# Allegro board REF_038HX-888005K4R-A100.brd (continued)
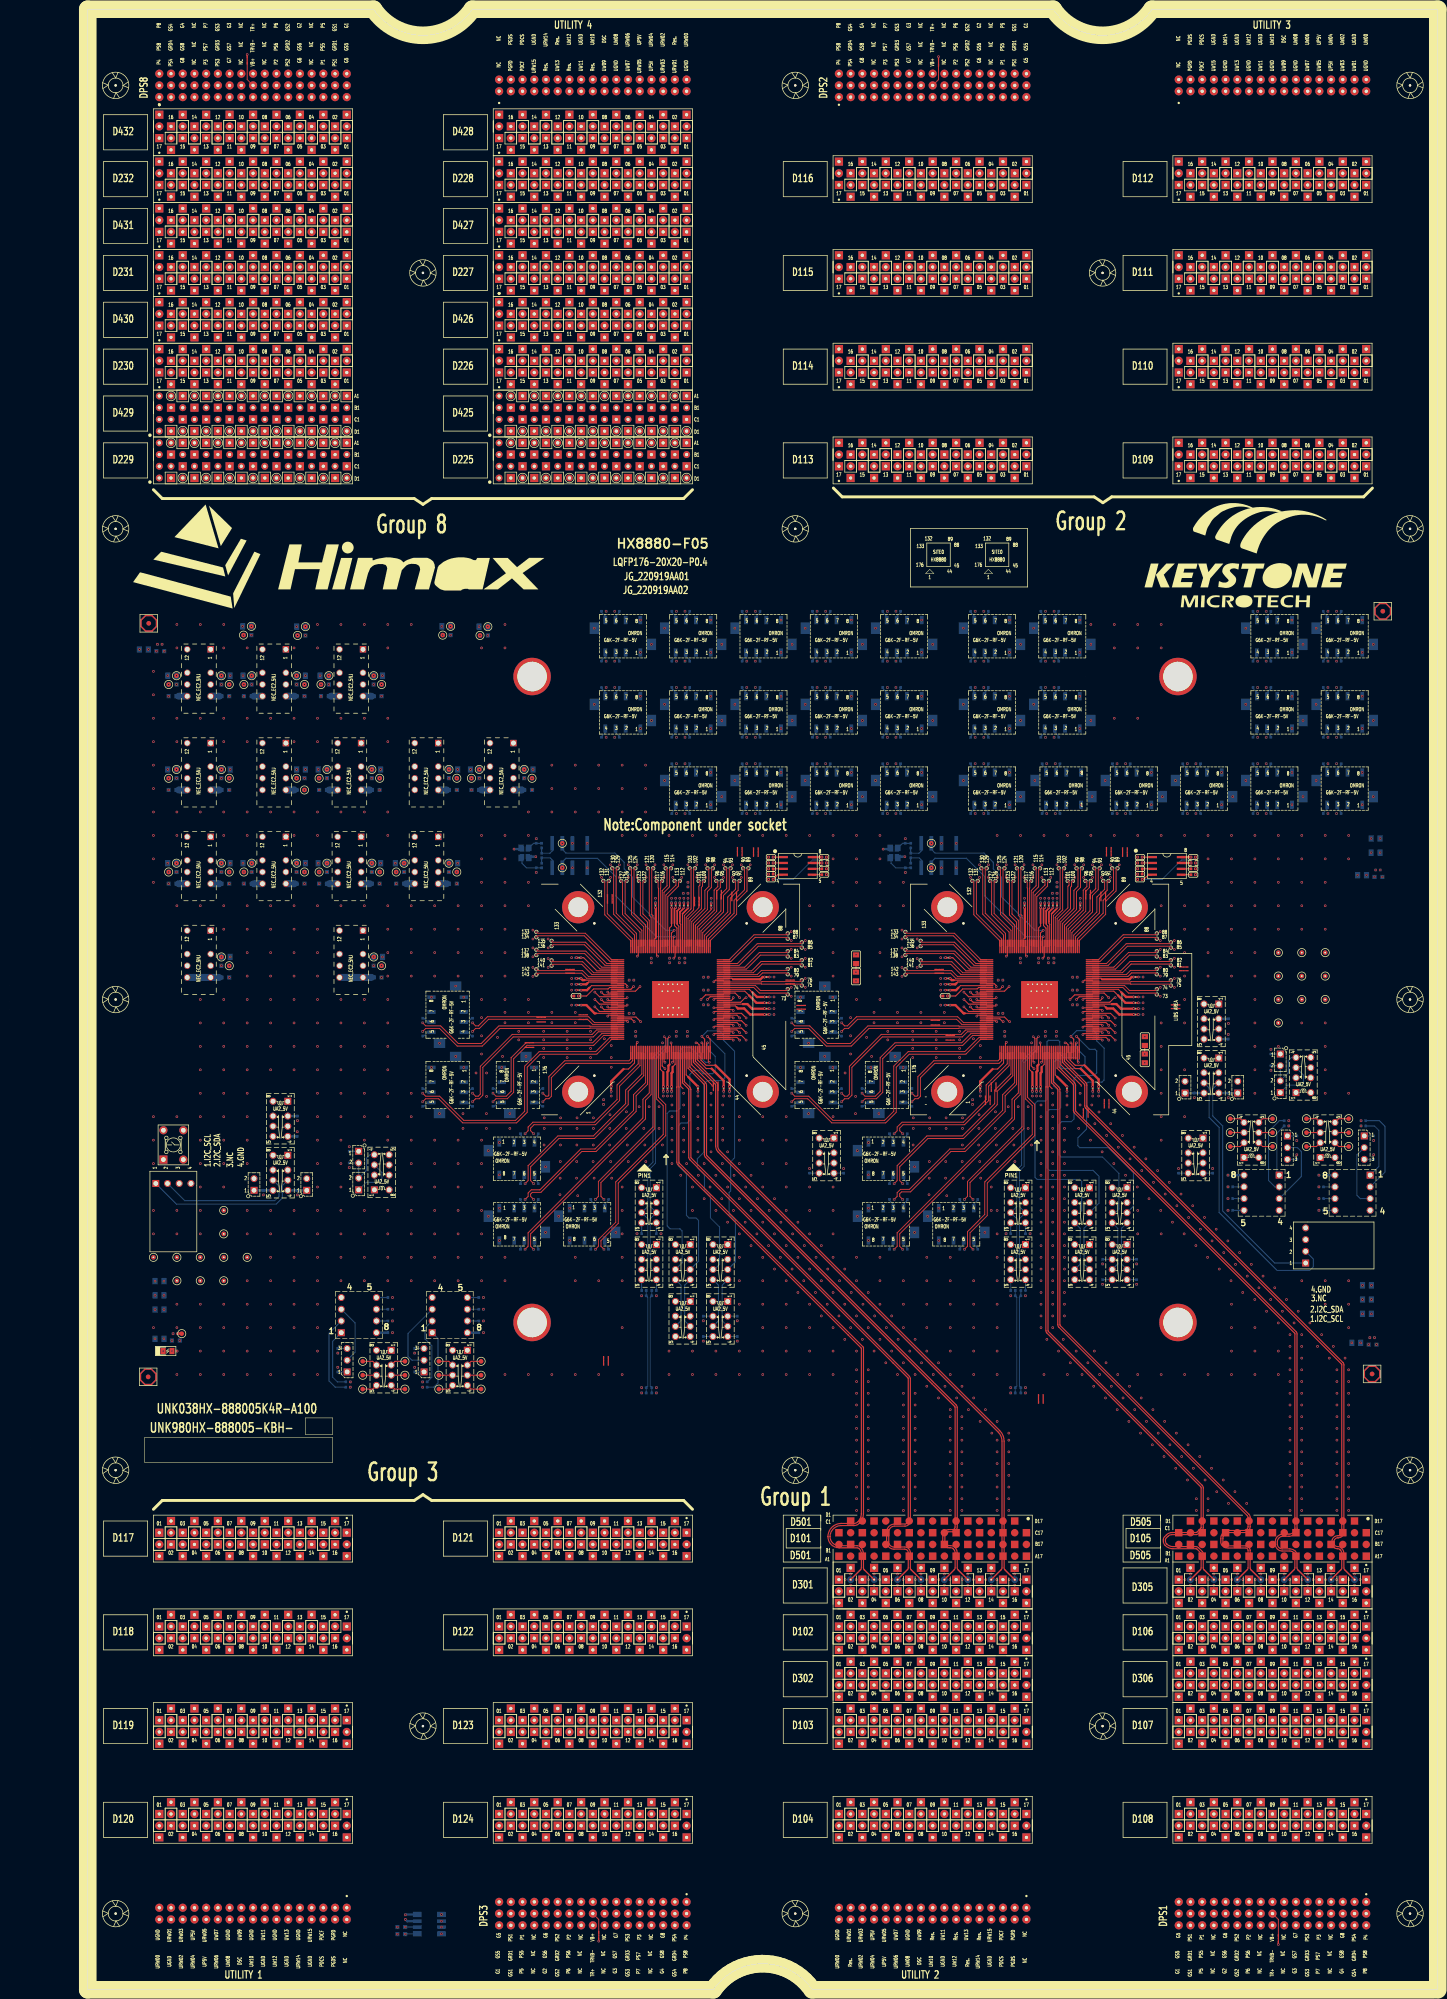
[diagram p0: board, top side]
## Copper pours and planes (outline as drawn; the poured copper is in the pictures) (continued)
AGND on TOP: 117.64,201.55 138.41,201.55 139.91,200.04 150.82,200.04 151.61,200.83 151.61,211.45 152.98,212.81 188.04,212.81 190.66,210.19 192.11,210.19 192.27,210.03 192.84,210.03 193.29,209.58 193.29,206.43 193.31,206.41 193.31,205.58 193.5,205.38 196.12,205.38 197.04,204.46 197.04,201.85 197.24,201.65 218.14,201.65 221.25,198.54 221.25,193.49 253.7,161.04 253.7,158.15 275.54,136.3 275.54,130.68 278.49,127.74 278.49,83.82 277.39,82.72 159.52,82.72 153.24,89 153.24,103.5 128.21,128.53 64.76,128.53 61.32,131.98 61.32,164.13 70.12,172.92 70.12,216.37 72.88,219.13 83.81,219.13 90.16,212.79 110.88,212.79 113.24,210.42 113.24,205.95 113.71,205.48 116.16,205.48 117.22,204.41 117.22,201.97
AGND on BOTTOM: 92.7,251.71 120.82,251.71 122.21,250.31 122.21,240.1 125.3,237.01 125.3,234.19 128.12,231.36 128.12,226.61 127.58,226.06 121.01,226.06 107.82,239.25 94.67,239.25 91.34,242.58 91.34,250.35
AGND on BOTTOM: 172.7,251.71 200.82,251.71 202.21,250.31 202.21,240.1 205.3,237.01 205.3,234.19 208.12,231.36 208.12,226.61 207.58,226.06 201.01,226.06 187.82,239.25 174.67,239.25 171.34,242.58 171.34,250.35
AGND on L02_GND: 1.02,1.02 1.02,428.24 61.42,428.24 72.66,422.59 83.9,428.24 208.74,428.24 219.98,422.59 231.22,428.24 291.62,428.24 291.62,1.02 157.55,1.02 156.96,1.78 156.12,2.68 155.21,3.5 154.23,4.23 153.19,4.87 152.1,5.43 150.96,5.88 149.79,6.24 148.6,6.49 147.38,6.64 146.16,6.68 144.94,6.61 143.73,6.44 142.54,6.16 141.38,5.78 140.25,5.3 139.17,4.72 138.15,4.05 137.19,3.3 136.3,2.46 135.48,1.55 135.08,1.02
AGND on L03_SIGNAL: 156.96,1.78 156.12,2.68 155.21,3.5 154.23,4.23 153.19,4.87 152.1,5.43 150.96,5.88 149.79,6.24 148.6,6.49 147.38,6.64 146.16,6.68 144.94,6.61 143.73,6.44 142.54,6.16 141.38,5.78 140.25,5.3 139.17,4.72 138.15,4.05 137.19,3.3 136.3,2.46 135.48,1.55 135.08,1.02 1.02,1.02 1.02,428.24 61.42,428.24 72.66,422.59 83.9,428.24 208.74,428.24 219.98,422.59 231.22,428.24 291.62,428.24 291.62,1.02 157.55,1.02 ; 86 cut-outs
AGND on L04_GND, L05_SIGNAL, L06_GND, L08_GND, L10_GND, L15_GND, L17_GND, L19_GND, L21_GND, L22_SIGNAL, L23_GND: 156.96,1.78 156.12,2.68 155.21,3.5 154.23,4.23 153.19,4.87 152.1,5.43 150.96,5.88 149.79,6.24 148.6,6.49 147.38,6.64 146.16,6.68 144.94,6.61 143.73,6.44 142.54,6.16 141.38,5.78 140.25,5.3 139.17,4.72 138.15,4.05 137.19,3.3 136.3,2.46 135.48,1.55 135.08,1.02 1.02,1.02 1.02,428.24 61.42,428.24 72.66,422.59 83.9,428.24 208.74,428.24 219.98,422.59 231.22,428.24 291.62,428.24 291.62,1.02 157.55,1.02
AGND on L07_SIGNAL: 156.96,1.78 156.12,2.68 155.21,3.5 154.23,4.23 153.19,4.87 152.1,5.43 150.96,5.88 149.79,6.24 148.6,6.49 147.38,6.64 146.16,6.68 144.94,6.61 143.73,6.44 142.54,6.16 141.38,5.78 140.25,5.3 139.17,4.72 138.15,4.05 137.19,3.3 136.3,2.46 135.48,1.55 135.08,1.02 1.02,1.02 1.02,428.24 61.42,428.24 72.66,422.59 83.9,428.24 208.74,428.24 219.98,422.59 231.22,428.24 291.62,428.24 291.62,1.02 157.55,1.02 ; 97 cut-outs
AGND on L09_POWER: 156.96,1.78 156.12,2.68 155.21,3.5 154.23,4.23 153.19,4.87 152.1,5.43 150.96,5.88 149.79,6.24 148.6,6.49 147.38,6.64 146.16,6.68 144.94,6.61 143.73,6.44 142.54,6.16 141.38,5.78 140.25,5.3 139.17,4.72 138.15,4.05 137.19,3.3 136.3,2.46 135.48,1.55 135.08,1.02 1.02,1.02 1.02,428.24 61.42,428.24 72.66,422.59 83.9,428.24 208.74,428.24 219.98,422.59 231.22,428.24 291.62,428.24 291.62,1.02 157.55,1.02 ; 1 cut-out
AGND on L11_POWER: 156.96,1.78 156.12,2.68 155.21,3.5 154.23,4.23 153.19,4.87 152.1,5.43 150.96,5.88 149.79,6.24 148.6,6.49 147.38,6.64 146.16,6.68 144.94,6.61 143.73,6.44 142.54,6.16 141.38,5.78 140.25,5.3 139.17,4.72 138.15,4.05 137.19,3.3 136.3,2.46 135.48,1.55 135.08,1.02 1.02,1.02 1.02,428.24 61.42,428.24 72.66,422.59 83.9,428.24 208.74,428.24 219.98,422.59 231.22,428.24 291.62,428.24 291.62,1.02 157.55,1.02 ; 1 cut-out
AGND on L13_CBIT: 156.96,1.78 156.12,2.68 155.21,3.5 154.23,4.23 153.19,4.87 152.1,5.43 150.96,5.88 149.79,6.24 148.6,6.49 147.38,6.64 146.16,6.68 144.94,6.61 143.73,6.44 142.54,6.16 141.38,5.78 140.25,5.3 139.17,4.72 138.15,4.05 137.19,3.3 136.3,2.46 135.48,1.55 135.08,1.02 1.02,1.02 1.02,428.24 61.42,428.24 72.66,422.59 83.9,428.24 208.74,428.24 219.98,422.59 231.22,428.24 291.62,428.24 291.62,1.02 157.55,1.02 ; 10 cut-outs
AGND on L14_POWER: 156.96,1.78 156.12,2.68 155.21,3.5 154.23,4.23 153.19,4.87 152.1,5.43 150.96,5.88 149.79,6.24 148.6,6.49 147.38,6.64 146.16,6.68 144.94,6.61 143.73,6.44 142.54,6.16 141.38,5.78 140.25,5.3 139.17,4.72 138.15,4.05 137.19,3.3 136.3,2.46 135.48,1.55 135.08,1.02 1.02,1.02 1.02,428.24 61.42,428.24 72.66,422.59 83.9,428.24 208.74,428.24 219.98,422.59 231.22,428.24 291.62,428.24 291.62,1.02 157.55,1.02 ; 1 cut-out
AGND on L16_POWER: 208.24,427.23 219.98,421.57 231.72,427.23 290.61,427.23 290.61,2.03 158.05,2.03 157.73,2.44 156.83,3.41 155.85,4.28 154.8,5.07 153.69,5.76 152.52,6.35 151.3,6.84 150.05,7.22 148.76,7.49 147.46,7.65 146.15,7.69 144.84,7.62 143.54,7.44 142.27,7.14 141.02,6.73 139.81,6.22 138.66,5.6 137.56,4.88 136.53,4.07 135.57,3.17 134.69,2.2 134.57,2.03 2.03,2.03 2.03,427.23 60.92,427.23 72.66,421.57 84.4,427.23 ; 1 cut-out
AGND on L18_POWER: 156.96,1.78 156.12,2.68 155.21,3.5 154.23,4.23 153.19,4.87 152.1,5.43 150.96,5.88 149.79,6.24 148.6,6.49 147.38,6.64 146.16,6.68 144.94,6.61 143.73,6.44 142.54,6.16 141.38,5.78 140.25,5.3 139.17,4.72 138.15,4.05 137.19,3.3 136.3,2.46 135.48,1.55 135.08,1.02 1.02,1.02 1.02,428.24 61.42,428.24 72.66,422.59 83.9,428.24 208.74,428.24 219.98,422.59 231.22,428.24 291.62,428.24 291.62,1.02 157.55,1.02 ; 1 cut-out
AGND on L20_SIGNAL: 156.96,1.78 156.12,2.68 155.21,3.5 154.23,4.23 153.19,4.87 152.1,5.43 150.96,5.88 149.79,6.24 148.6,6.49 147.38,6.64 146.16,6.68 144.94,6.61 143.73,6.44 142.54,6.16 141.38,5.78 140.25,5.3 139.17,4.72 138.15,4.05 137.19,3.3 136.3,2.46 135.48,1.55 135.08,1.02 1.02,1.02 1.02,428.24 61.42,428.24 72.66,422.59 83.9,428.24 208.74,428.24 219.98,422.59 231.22,428.24 291.62,428.24 291.62,1.02 157.55,1.02 ; 1 cut-out
CSDPS225P1 on L18_POWER: 110.47,192.72 110.47,184.65 113.07,182.05 131.9,182.05 138.58,188.73 138.58,227.98 140.98,230.38 140.98,250.52 137.67,253.83 104.62,253.83 101.97,256.48 101.97,265.18 139.73,302.94 139.73,331.81 137.11,334.43 128.97,334.43 128.15,333.61 128.15,329.2 128.8,328.55 130.75,328.55 131.79,327.51 131.79,308.25 90.51,266.97 90.51,249.91 98.49,241.93 123.05,241.93 123.78,241.21 123.78,234.24 130.29,227.73 130.29,193.85 126.41,189.98 121.41,189.98 120.28,191.1 120.28,206.27 119.37,207.18 113.34,207.18 112.58,206.42 112.58,194.83
CSDPS225P3 on L11_POWER: 129.04,223.04 128.71,223.37 128.71,229.99 125.73,232.97 125.73,252.8 121.38,257.15 74.32,257.15 72.65,258.82 72.65,292.39 87.01,306.76 103.62,306.76 115.29,318.43 115.29,333.25 116.44,334.39 125.43,334.39 125.99,333.83 125.99,329.45 125.52,328.98 122.09,328.98 121.41,328.3 121.41,313.43 107.19,299.21 92,299.21 79.22,286.43 79.22,270.32 81.94,267.6 125.68,267.6 133.27,260.01 133.27,224.19 132.12,223.04
CSDPS225P5 on L14_POWER: 131.99,223.39 131.99,228.26 138.53,234.81 138.53,237.29 138.89,237.65 138.89,249.27 136.09,252.07 84.11,252.07 82.18,254.01 82.18,289.81 95.97,303.6 111.34,303.6 128.83,321.09 128.83,333.46 127.88,334.41 119.12,334.41 118.02,333.31 118.02,329.36 118.65,328.73 120.11,328.73 120.56,328.28 120.56,325.03 108.5,312.97 91.42,312.97 74.85,296.4 74.85,238.04 76.28,236.61 84.36,236.61 94.72,246.96 129.8,246.96 132.84,243.93 132.84,239.71 131.35,238.22 128.55,238.22 127.87,237.54 127.87,223.27 128.09,223.05 131.64,223.05
CSDPS225P7 on L16_POWER: 123.05,206.83 123.05,194.83 116.31,188.09 88.7,188.09 67,209.79 67,290.16 94.03,317.19 103.69,317.19 111.14,324.64 111.14,327.95 111.71,328.53 115.2,328.53 116.27,329.61 116.27,333.51 115.35,334.43 103.58,334.43 102.75,333.59 102.75,327.23 99.62,324.11 89.48,324.11 58.2,292.83 58.2,207.48 82.01,183.67 120.31,183.67 128.34,191.7 128.34,206.65 127.74,207.25 123.47,207.25
CSDPS225P9 on L09_POWER: 121.38,222.53 121.88,223.04 122.63,223.04 122.95,223.35 122.95,224.1 123.82,224.97 123.82,239.12 120.61,242.32 81.37,242.32 71.97,251.72 64.85,251.72 57.16,259.4 57.16,284.55 86.35,313.75 114.1,313.75 118.76,318.41 118.76,332.99 117.74,334.01 108.59,334.01 107.86,333.27 107.86,329.36 108.59,328.63 109.92,328.63 110.42,328.13 110.42,324.53 105.64,319.75 81.17,319.75 50.57,289.15 50.57,255.24 60.06,245.76 83.29,222.53
CSDPS225P11 on L14_POWER: 62.72,318 79.13,334.4 105.06,334.4 106.03,333.43 106.03,329.54 105.26,328.77 101.76,328.77 101.02,328.03 101.02,325.51 97.66,322.16 83.34,322.16 72.41,311.23 72.41,236.39 75.19,233.61 82.73,233.61 95.21,246.09 127.02,246.09 130.65,242.45 130.65,239.44 130.34,239.13 127.94,239.13 126.96,238.15 126.96,233.88 126.5,233.42 126.5,223.38 126.13,223.01 122.9,223.01 122.47,223.44 122.47,238.19 121.51,239.15 110.15,239.15 109.14,240.17 102.42,240.17 88.44,226.19 66.02,226.19 62.72,229.48
CSDPS225P13 on L09_POWER: 124.63,223.14 124.63,236.46 125.53,237.37 130.81,237.37 132.02,236.15 132.02,216.8 132.8,216.02 149.6,216.02 151.99,213.63 151.99,200.99 150.35,199.35 140.2,199.35 139.83,198.98 139.83,192.34 138.22,190.73 111.66,190.73 110.59,191.79 110.59,196.73 106.48,200.85 65.79,200.85 50.72,215.92 50.72,227.1 39.78,238.04 39.78,244.62 35.88,248.52 35.88,291.77 83.47,339.36 99.81,339.36 100.71,338.46 100.71,329.59 100.07,328.95 84.65,328.95 46.96,291.27 46.96,253.63 53.58,247.01 53.58,239.31 76.06,216.84 100.09,216.84 103,219.74 121.23,219.74
CSDPS229P1 on L18_POWER: 190.47,192.72 190.47,184.65 193.07,182.05 211.9,182.05 218.58,188.73 218.58,227.98 220.98,230.38 220.98,250.52 217.67,253.83 176.82,253.83 157.35,234.36 157.35,193.13 142.49,178.27 83.18,178.27 48.81,212.65 48.81,299.34 65.62,316.15 65.62,331.58 62.88,334.33 55.17,334.33 54.56,333.72 54.56,329.37 55.17,328.76 57.08,328.76 57.83,328.01 57.83,321.67 41.58,305.42 41.58,206.23 78.31,169.5 145.5,169.5 164.81,188.81 164.81,225.76 180.99,241.93 203.05,241.93 203.78,241.21 203.78,234.24 210.29,227.73 210.29,193.85 206.41,189.98 201.41,189.98 200.28,191.1 200.28,206.27 199.37,207.18 193.34,207.18 192.58,206.42 192.58,194.83
CSDPS229P3 on L11_POWER: 209.04,223.04 208.71,223.37 208.71,229.99 205.73,232.97 205.73,240.75 204.73,241.76 174.81,241.76 163.88,230.83 163.88,189.03 153.04,178.19 72.98,178.19 39.01,212.16 39.01,311.41 41.78,314.18 41.78,333.48 42.7,334.4 52.17,334.4 52.78,333.79 52.78,329.69 51.78,328.7 48.21,328.7 47.67,328.16 47.67,309.46 46.2,307.99 46.2,214.87 74.98,186.09 150.92,186.09 157.43,192.6 157.43,234.59 170.69,247.85 211.27,247.85 213.27,245.86 213.27,224.19 212.12,223.04
CSDPS229P5 on L14_POWER: 60.94,164.67 53.21,172.4 53.21,176.59 40.92,188.87 40.92,315.52 47,321.6 47,328 46.37,328.63 45.3,328.63 44.66,329.26 44.66,333.4 45.6,334.33 54.51,334.33 54.99,333.85 54.99,316.69 51.42,313.11 51.42,200.62 73.76,178.28 142.13,178.28 153.39,189.54 153.39,243.89 165.71,256.21 213.52,256.21 218.89,250.85 218.89,235.17 211.99,228.26 211.99,223.39 211.64,223.05 208.09,223.05 207.87,223.27 207.87,237.54 208.55,238.22 211.35,238.22 212.84,239.71 212.84,243.93 209.8,246.96 172.08,246.96 164.82,239.7 164.82,178.08 151.41,164.67
CSDPS229P7 on L16_POWER: 203.05,206.83 203.05,198.04 172.47,167.46 58.65,167.46 48.51,177.6 48.51,194.52 33.17,209.87 33.17,309.73 37.52,314.08 37.52,328.13 37.94,328.56 41.31,328.56 42.59,329.84 42.59,333.78 41.97,334.4 30.44,334.4 29.14,333.1 29.14,315.61 25.14,311.61 25.14,201.03 38.62,187.56 38.62,172.11 51.27,159.46 173.49,159.46 208.33,194.31 208.33,206.65 207.74,207.25 203.47,207.25
CSDPS229P9 on L09_POWER: 182.79,222.53 201.38,222.53 201.88,223.04 202.63,223.04 202.95,223.35 202.95,224.1 203.82,224.97 203.82,241.11 202.38,242.55 176.3,242.55 169.46,235.7 169.46,185.78 164.53,180.86 69.91,180.86 69.06,180.01 61.1,180.01 60.38,180.73 49.12,180.73 46.96,182.9 46.96,192.13 41.13,197.97 41.13,225.55 28.9,237.78 26.27,237.78 23.54,240.51 23.54,300.76 45.25,322.46 45.25,332.84 43.76,334.33 34.93,334.33 34.13,333.53 34.13,329.31 34.82,328.62 36.15,328.62 36.69,328.08 36.69,323.47 16.24,303.03 16.24,236.32 21.6,230.96 26.87,230.96 33.55,224.27 33.55,172.42 36.37,169.6 89.59,169.6 91.78,171.79 166.28,171.79 177.95,183.47 177.95,217.7
CSDPS229P11 on L14_POWER: 44.91,150.73 27.91,167.73 27.91,294.29 18.38,303.81 18.38,333.28 19.58,334.48 31.29,334.48 32.21,333.57 32.21,329.39 31.62,328.8 27.89,328.8 27.32,328.24 27.32,320.31 39.34,308.29 39.34,171.92 51.08,160.17 151.57,160.17 170.97,179.57 170.97,241.85 175.21,246.09 207.02,246.09 210.65,242.45 210.65,239.44 210.34,239.13 207.94,239.13 206.96,238.15 206.96,233.88 206.68,233.6 206.68,223.57 206.17,223.06 203.13,223.06 202.49,223.71 202.49,236.19 199.52,239.15 190.15,239.15 189.14,240.17 182.42,240.17 179.88,237.63 179.88,171.32 159.29,150.73
CSDPS229P13 on L09_POWER: 204.63,236.46 205.53,237.37 210.81,237.37 212.02,236.15 212.02,216.8 212.8,216.02 229.6,216.02 231.99,213.63 231.99,200.99 230.35,199.35 220.2,199.35 219.83,198.98 219.83,192.34 218.21,190.73 216.28,190.73 172.49,146.94 105.87,146.94 101.65,151.15 24.7,151.15 12.95,162.9 12.95,218.38 3.86,227.46 3.86,308 10.67,314.81 10.67,338.32 11.8,339.45 26.25,339.45 26.84,338.86 26.84,329.65 25.78,328.59 20.3,328.59 18.84,327.13 18.84,311.05 12.61,304.82 12.61,234.2 20.72,226.09 27.58,226.09 29.91,223.75 29.91,217 28.66,215.75 28.66,171.95 35.34,165.28 163.53,165.28 190.94,192.69 190.94,196.37 191.5,196.93 191.5,198.85 189.97,200.39 182.33,200.39 181.37,201.34 181.37,215.5 183.29,217.41 187.8,217.41 190.17,219.78 202.06,219.78 204.63,222.35
CSDPS425P1 on L09_POWER: 147.23,217.08 149.26,219.1 149.26,227.46 153.44,231.65 153.44,251.46 137.7,267.2 71.16,267.2 68.96,269.4 68.96,276.18 96.09,303.32 118.58,303.32 136.37,321.1 136.37,344.49 134.1,346.76 129.5,346.76 128.31,345.57 128.31,339.9 129.42,338.78 130.7,338.78 131.05,338.44 131.05,325.44 114.68,309.08 90.75,309.08 58.34,276.66 58.34,259.27 61.3,256.3 122.72,256.3 130.99,248.03 130.99,239.51 133,237.5 133,220.62 133.93,219.69 133.93,218.28 135.12,217.08
CSDPS425P3 on L20_SIGNAL: 125.33,147.12 84.72,187.73 84.72,269.93 90,275.21 90,293.29 109.13,312.42 128.12,312.42 133.25,317.55 133.25,343.64 132.32,344.57 124.3,344.57 123.3,343.57 123.3,339.41 123.83,338.88 125.27,338.88 126.05,338.09 126.05,326.44 121.68,322.08 107.32,322.08 84.17,298.93 84.17,280.79 78.64,275.26 78.64,175.33 117.17,136.8 117.17,131.43 118.69,129.91 123.89,129.91 125.33,131.35
CSDPS425P7 on L11_POWER: 133.94,217.47 134.35,217.88 148.25,217.88 152.01,214.12 152.01,200.36 151.28,199.63 141.3,199.63 139.4,197.73 124.52,197.73 120.25,202 120.25,218.36 117.46,221.15 75.64,221.15 58.23,238.56 58.23,296.65 81.44,319.87 97.72,319.87 102.73,324.87 102.73,343.46 103.78,344.51 115.25,344.51 115.86,343.9 115.86,339.42 115.31,338.88 111.65,338.88 111.16,338.39 111.16,321.38 101.28,311.5 85.26,311.5 69.25,295.48 69.25,242.88 79.65,232.47 100.43,232.47 104.8,228.1 124.12,228.1 125.44,226.79 125.44,205.42 126.68,204.18 143.24,204.18 144.72,205.66 144.72,208.81 143.85,209.68 139.43,209.68 138.94,209.19 135.14,209.19 133.94,210.39
CSDPS425P9 on L20_SIGNAL: 139.71,198.74 139.71,134.43 129.74,124.46 93.54,124.46 86.89,131.11 86.89,155.39 69.81,172.48 69.81,275.63 79.49,285.31 79.49,330.47 87.78,338.77 110.41,338.77 111.24,339.6 111.24,343.93 110.62,344.55 81.43,344.55 71.41,334.54 71.41,304.6 57.3,290.48 57.3,203.99 44.01,190.71 38.82,190.71 37.11,189 37.11,148.01 70.75,114.37 131.33,114.37 164.54,147.58 164.54,193.34 156.93,200.95 141.92,200.95
CSDPS425P11 on L12_USER: 118.34,192.98 139.73,192.98 140.24,193.49 140.24,199.63 149.86,209.25 149.86,221.63 139.31,232.19 139.31,234.97 137.08,237.2 109.91,237.2 84.92,212.21 55.84,212.21 50.94,207.31 50.94,178.79 52.31,177.41 59.62,177.41 60.36,178.15 60.36,182.49 79.06,201.2 110.12,201.2
CSDPS425P11 on L18_POWER: 117.93,211.01 117.73,210.81 115.68,210.81 114.77,211.73 108.9,211.73 108.31,212.31 91.22,212.31 82,221.53 82,298.75 105.52,322.26 105.52,338.06 104.6,338.99 103.56,338.99 102.82,339.73 102.82,343.78 103.76,344.72 112.94,344.72 113.84,343.82 113.84,318.8 89.21,294.18 89.21,227.82 94.35,222.68 115.94,222.68 117.93,220.7
CSDPS425P13 on L16_POWER: 129.45,206.8 129.45,188.27 123.44,182.26 79.05,182.26 56.23,205.08 56.23,306.12 88.77,338.67 100.42,338.67 101.01,339.26 101.01,343.86 100.27,344.6 85.24,344.6 48.5,307.86 48.5,203.45 77.19,174.75 127.68,174.75 133.88,180.94 133.88,206.93 133.58,207.23 129.87,207.23
CSDPS425P15 on L11_POWER: 117.91,219.05 117.91,214.46 117.22,213.77 62.41,213.77 57.09,219.09 57.09,223.7 50.41,230.38 50.41,302.46 70.35,322.4 70.35,328.8 86.15,344.6 94.71,344.6 95.75,343.56 95.75,339.67 94.86,338.77 88.76,338.77 77.34,327.35 77.34,320.71 56.48,299.85 56.48,236.73 74.77,218.44 100.79,218.44 102.48,220.12 116.84,220.12
CSDPS429P1 on L09_POWER: 227.13,217.08 229.38,219.33 229.38,227.37 234.38,232.37 234.38,264.03 231.21,267.2 168.28,267.2 158.58,257.5 158.58,191.06 155.07,187.55 68.39,187.55 48.2,207.74 48.2,228.11 34.05,242.26 34.05,292.79 66.09,324.83 66.09,344.13 63.13,347.09 55.32,347.09 54.64,346.41 54.64,339.81 55.52,338.94 58.04,338.94 58.28,338.7 58.28,326.89 24.97,293.58 24.97,241.3 25.54,240.73 27.58,240.73 42.4,225.9 42.4,202.32 62.44,182.28 161.25,182.28 167.53,188.56 167.53,248.55 175.28,256.3 198.6,256.3 211,243.91 211,239.5 213,237.5 213,220.62 213.93,219.69 213.93,218.28 215.12,217.08
CSDPS429P5 on L20_SIGNAL: 203.34,132.64 156.85,132.64 136.32,112.11 69.56,112.11 32.73,148.94 32.73,188.85 37.65,193.77 41.51,193.77 52.33,204.59 52.33,297.47 58.6,303.73 58.6,344.06 58.09,344.58 44.93,344.58 44.31,343.96 44.31,339.53 45.01,338.84 46.44,338.84 46.99,338.29 46.99,310.51 41.44,304.95 41.44,208 34.75,201.31 29.88,201.31 26.3,197.73 26.3,147.38 67.81,105.87 138.6,105.87 154.96,122.24 202.66,122.24 204.81,124.39 204.81,131.18
CSDPS429P7 on L11_POWER: 213.94,217.47 214.35,217.88 228.25,217.88 232.01,214.12 232.01,200.36 231.28,199.63 221.3,199.63 219.4,197.73 204.52,197.73 200.21,202.04 200.21,218.41 197.46,221.15 181.48,221.15 172.35,212.02 172.35,182.03 153.96,163.64 43.29,163.64 25.04,181.89 25.04,319.59 29.06,323.61 29.06,344 29.64,344.58 41.76,344.58 42.59,343.75 42.59,339.67 41.91,339 35.77,339 34.87,338.1 34.87,318.93 36.01,317.79 36.01,292.63 36.02,292.58 36.02,205.53 47.8,193.75 47.8,188.29 61.07,175.01 155.13,175.01 166.9,186.78 166.9,223.66 174.56,231.32 182.35,231.32 185.56,228.1 203.69,228.1 205.21,226.58 205.21,205.65 206.68,204.18 223.24,204.18 224.72,205.66 224.72,208.81 223.85,209.68 219.43,209.68 218.94,209.19 215.14,209.19 213.94,210.39
CSDPS429P9 on L20_SIGNAL: 234.11,159.68 243.68,150.1 243.68,120.52 223.03,99.87 143.98,99.87 136.12,92.01 74.83,92.01 18.83,148 18.83,200.49 24.46,206.12 32.82,206.12 36.16,209.47 36.16,295.95 27.27,304.85 27.27,338.13 28.01,338.88 36.79,338.88 37.54,339.62 37.54,344.02 36.98,344.58 17.81,344.58 16.98,343.75 16.98,214.79 7.38,205.19 7.38,149.01 73.48,82.91 150.28,82.91 160.92,93.55 259.88,93.55 280.08,113.75 280.08,204.37 272.73,211.71 235.63,211.71 234.11,210.19
CSDPS429P11 on L12_USER: 197.42,192.73 219.03,192.73 220.3,194 220.3,199.75 236.54,215.99 248.25,215.99 251.36,212.88 251.36,198.8 251.85,198.3 260.25,198.3 260.78,198.83 260.78,236.03 256.92,239.9 223.2,239.9 220.52,237.22 196.94,237.22 194.99,235.27 194.99,195.16
CSDPS429P11 on L18_POWER: 197.93,211.51 197.5,211.09 193.93,211.09 193.53,211.49 189.9,211.49 188.83,212.57 182.82,212.57 176.2,205.95 176.2,181.23 149.81,154.83 116.6,154.83 114.43,157 43.36,157 32.53,167.83 32.53,290.72 31.77,291.48 31.77,338.87 31.57,339.07 30.09,339.07 29.35,339.8 29.35,343.89 29.99,344.52 38.94,344.52 40.06,343.4 40.06,200.93 42.2,198.78 42.2,170.59 47.5,165.29 145.43,165.29 167.14,187 167.14,213.54 176.27,222.68 195.94,222.68 197.93,220.7
CSDPS429P13 on L16_POWER: 209.45,206.8 209.45,190.97 175.93,157.45 48.7,157.45 28.58,177.57 28.58,188.72 23.03,194.27 23.03,292.62 22.18,293.47 22.18,338.09 23.06,338.97 26.25,338.97 27.08,339.79 27.08,343.93 26.42,344.59 14.69,344.59 12.68,342.58 12.68,325.35 15.63,322.4 15.63,172.79 40.39,148.02 177.31,148.02 213.88,184.59 213.88,206.93 213.58,207.23 209.87,207.23
CSDPS429P15 on L11_POWER: 197.91,219.05 197.91,214.46 197.22,213.77 184.04,213.77 180.08,209.81 180.08,169.97 161.04,150.93 28.66,150.93 15.27,164.33 15.27,317.75 9.05,323.97 9.05,341.88 11.84,344.67 21.44,344.67 22.21,343.9 22.21,340.31 20.62,338.72 17.74,338.72 17.11,338.08 17.11,327.09 23.71,320.49 23.71,177.64 40.93,160.42 156.66,160.42 174.17,177.93 174.17,211.82 182.48,220.12 196.84,220.12
UDBGND on L14_POWER: 5.98,24.94 5.98,289.71 9.09,292.82 16.82,292.82 18.47,291.17 18.47,161.78 25.33,154.92 25.33,134.78 58.01,102.1 58.01,34.62 62.66,29.96 228.42,29.96 232.8,34.34 232.8,88.97 252.1,108.27 252.1,307.71 233.96,325.85 233.96,398.55 232.2,400.32 88.17,400.32 86.33,402.15 86.33,420.05 90.32,424.03 207.88,424.03 211.66,420.26 276.84,420.26 284.11,412.99 284.11,11.89 279.74,7.51 166.87,7.51 162.81,11.57 19.35,11.57
UT1_UP5V on L12_USER: 156.96,1.78 156.12,2.68 155.21,3.5 154.23,4.23 153.19,4.87 152.1,5.43 150.96,5.88 149.79,6.24 148.6,6.49 147.38,6.64 146.16,6.68 144.94,6.61 143.73,6.44 142.54,6.16 141.38,5.78 140.25,5.3 139.17,4.72 138.15,4.05 137.19,3.3 136.3,2.46 135.48,1.55 135.08,1.02 1.02,1.02 1.02,428.24 61.42,428.24 72.66,422.59 83.9,428.24 208.74,428.24 219.98,422.59 231.22,428.24 291.62,428.24 291.62,1.02 157.55,1.02

Small or netless copper shapes (teardrops, artwork), in the pictures only: 1 on L03_SIGNAL

## Text on the board
Ref Des/Silkscreen Bottom: 133 | 134 | 137 | 141 | 138 | 142 | 139 | 140 | 135 | 136 | 74 | 73 | 88 | 84 | 87 | 83 | 80 | 79 | 86 | 76 | 85 | 75 | 82 | 81 | 132 | 131 | 130 | 129 | 127 | 126 | 125 | 124 | 123 | 122 | 121 | 120 | 117 | 116 | 115 | 114 | 113 | 112 | 103 | 102 | 101 | 100 | 99 | 98 | 96 | 95 | 94 | 93 | 92 | 91 | 90 | 89 | 9.HPD | 8.AGMODE_SYNC | 7.PWMI | 6.FAIL_FLAGO | 5.B_EIO | 4.F_EIO | 1.TEST | 3.STV_IN | 2.AGMODE
Ref Des/Silkscreen Top: 138 | 137 | 134 | 143 | 133 | 142 | 141 | 140 | 136 | 135 | 73 | 87 | 88 | 74 | 79 | 83 | 80 | 84 | 75 | 76 | 85 | 86 | 81 | 82 | 176 | 132 | 1 | SITE0 | HX8880 | 44 | 89 | 45 | 131 | 130 | 129 | 127 | 126 | 125 | 124 | 123 | 122 | 121 | 120 | 117 | 116 | 115 | 114 | 113 | 112 | 103 | 102 | 101 | 100 | 99 | 98 | 96 | 95 | 94 | 93 | 92 | 91 | 90 | 2.I2C_SDA | 1.I2C_SCL | 4.GND | 3.NC | Note:Component under socket | Group 3 | Group 8 | Group 1 | Group 2
User.5: NPTH1.62MMX4 | M3X4 | (0,0) | M4X4 | UNIT:MM | PCB Thickness:4.48MM | Group 8 | Group 3 | Group 2 | Group 1
User.17: 0.5 MIN | dia7
User.23: HEIGHT:1.4MM | HEIGHT:0.9MM | HEIGHT:1.91MM | HEIGHT:2.64MM | HEIGHT:9.5MM | UNIT:MM
User.24: HEIGHT:1.27MM | HEIGHT:10 MM | HEIGHT:9.6MM | HEIGHT:5.6MM | HEIGHT:0.9MM | HEIGHT:9 MM | HEIGHT:0.6MM | HEIGHT:8.6MM
User.45: FIGURE | SIZE | 12.0 | 12.1 | 12.11 | 14.0 | 14.01 | 28.0 | 40.0 | 41.0 | 169.0 | 252.0 | 64.0 | 126.0 | DRILL CHART: TOP to BOTTOM | ALL UNITS ARE IN MILS | TOLERANCE | +2.0/-2.0 | +3.0/-1.0 | +3.0/-0.0 | +2.0/-0.0 | +3.0/-3.0 | PLATED | NON-PLATED | QTY | 1104 | 1254 | 40 | 8 | 16 | 20 | 1564 | 970 | 4 | 36 | 336 | 18
